# Altium PCB OneBox.PcbDoc (part 6 of 13) (continued)
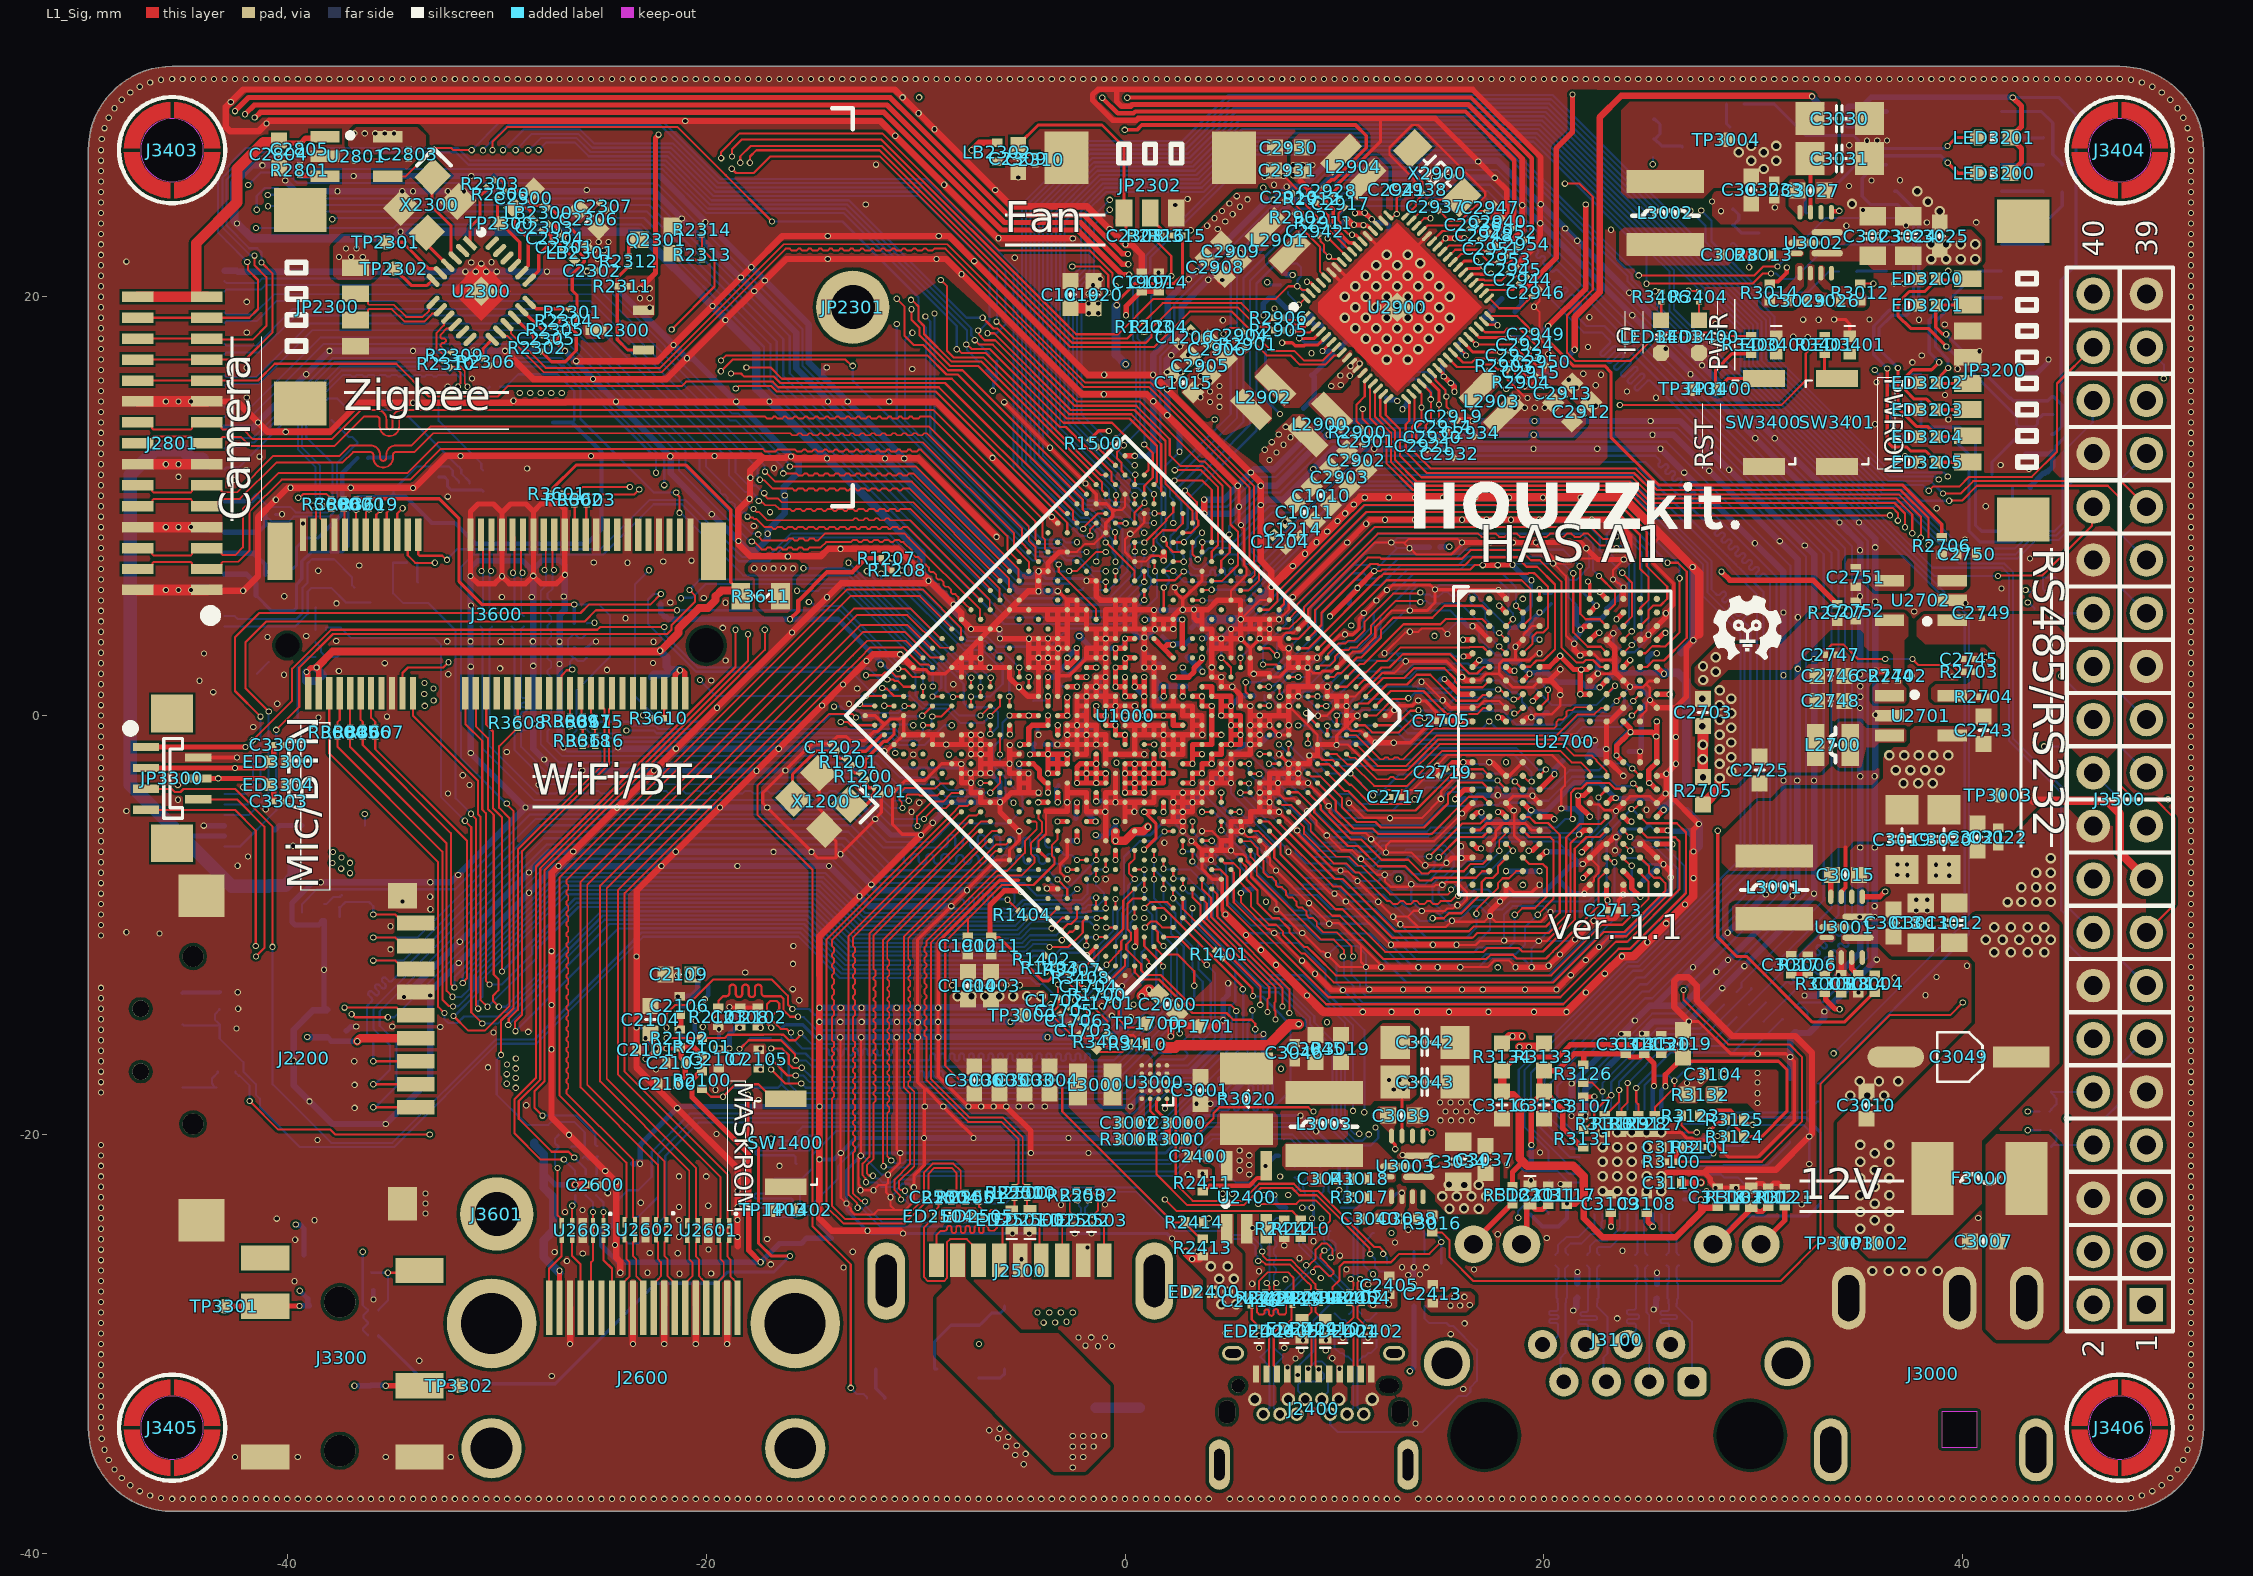
[diagram p0: L1_Sig view]
## Nets (pads, with @x,y where several pads share a name; then routed paths per layer and width w, separated by ;. In a path a pad name is that pad's centre, name@x,y a point inside that pad or via, vN(x,y) a via of type N, cw(c..) or ccw(c..) an arc to the next point about the centre after c; other vN are vias at no path point) (continued)
  L1_Sig w0.305: J2801.1@-43.85,6 -43.811,5.961 v1(-42.111,5.961) -42.089,5.961 -41.4,6.65 -41.4,9.46 -40.551,10.309 v1(-40.546,10.309) -39.975,10.881 v1(-39.852,10.881) v1(-36.97,10.88) -33.92,10.88 -32.4,12.4 v1(-31.731,12.4) v1(-25.5,12.4) -21.724,12.4 v1(-21.712,12.388) -21.7,12.4 v1(-19.6,12.4) -17.4,12.4 -17.3,12.3 ; J2801.10@-43.85,15 -42.4,15 v1(-41.4,14) -40.947,13.547 v1(-40.075,13.547) -37.953,13.547 -36.565,14.935 v1(-35.098,14.935) -34.004,14.935 v1(-34.001,14.937) -33.999,14.935 -29.308,14.935 v1(-29.208,15.034) -29.145,15.034 -29.079,14.968 -26.721,14.968 -26.697,14.993 v1(-18.569,14.993) ; v1(-31.5,21.2) -31.1,20.8 -30.4,20.8 v1(-30,21.2) ; v1(-29.609,17.415) -28.263,16.069 v1(-25.402,16.069) ; v1(-27.384,-13.817) -27.384,-19.183 v1(-26.549,-20.018) v1(-24.3,-22.267) -24.3,-25.878 -24.1,-26.078 v1(-24.1,-26.6) ; v1@-27.383,-13.819 v1(-27.383,-11.246) ; v1@-27.382,-11.247 -27.382,-7.508 v1(-27.056,-7.183) ; v1@-27.056,-7.196 -26.352,-6.492 v1(-26.35,-6.492) -24.256,-4.398 v1(-24.256,-4.395) -22.504,-2.643 -22.504,-2.617 v1(-22.496,-2.617) -22.487,-2.617 v1(-21.447,-1.577) -21.44,-1.577 v1(-19.488,0.376) v1@-15.906,3.957 ; v1(-26.5,-30) J2600.17@-26.5,-28.265 ; v1(-26.204,16.925) -22.335,16.925 v1(-21.562,17.698) v1(-19.702,19.558) ; v1@-25.42,16.068 -21.909,16.068 -20.918,17.059 v1(-20.918,17.061) -20.916,17.061 v1(-19.083,18.893) ; v1(-23.5,-30) J2600.11@-23.5,-28.265 ; v1@-22.143,-7.188 v1(-21.456,-6.501) -19.345,-4.39 v1(-19.345,-4.384) v1(-14.476,0.485) -14.471,0.485 v1(-13.472,1.484) v1(-12.348,2.609) -12.021,2.936 -10.75,2.936 v1(-10.737,2.924) U1000.AH23@-10.112,2.298 ; v1(-22.139,-7.183) -23.323,-8.367 v1(-23.323,-11.5) -23.323,-14.882 v1(-23.326,-14.885) -23.326,-15.907 v1(-23.33,-15.91) -23.33,-16.798 v1(-21.385,-18.743) -18.5,-21.629 v1(-18.5,-22) v1(-18.5,-22.7) v1(-18.501,-23.459) ; v1(-22,-30) J2600.8@-22,-28.265 ; v1(-20.5,-30) J2600.5@-20.5,-28.265 ; U2601.8@-19.948,-24.832 -19.948,-24.151 -19.929,-24.132 -19.852,-24.209 U2601.8@-19.852,-24.832 ; v1@-19.679,19.577 -18.346,20.911 v1(-18.346,20.914) v1(-17.848,21.412) -16.36,22.9 v1(-8.9,22.9) -8.4,22.9 v1(-7.2,21.7) -1.778,16.278 v1(-1,16.278) 0.169,16.278 ; v1@-19.083,18.894 v1(-17.704,20.274) -17.208,20.77 v1(-17.208,20.774) -16.182,21.8 v1(-14.2,21.8) v1(-9,21.8) -8.536,21.8 v1(-7.811,21.074) ; v1(-19,-30) J2600.2@-19,-28.265 ; v1@-18.568,14.993 v1(-16.978,14.993) v1(-14.182,14.993) v1(-13.243,14.993) v1(-11.262,14.994) -9.017,14.994 v1(-6.33,12.307) -3.65,9.626 v1(-3.505,9.481) ; v1(-18.501,-23.459) -18.504,-23.462 v1(-18.504,-24.082) -18.504,-24.896 v1(-18.5,-24.9) -18.5,-25.338 ; v1@-17.909,11.357 -17.909,11.691 -17.3,12.3 ; v1(-17.891,11.359) -17.909,11.341 -17.909,10.371 v1(-17.929,10.351) -18.465,9.815 -18.465,8.343 v1(-18.456,8.334) -18.456,8.187 -17.869,7.6 v1(-16.1,7.6) -14.539,7.6 -14.177,7.962 -10.86,7.962 -9.299,6.401 v1(-8.194,5.296) -7.814,4.915 U1000.AH18@-7.814,4.596 v1(-7.354,4.137) U1000.AF17@-6.435,4.137 U1000.AF15@-5.515,5.056 -4.63,5.942 v1(-4.136,5.942) -4.137,5.943 U1000.AF12@-4.137,6.435 -4.137,6.882 v1(-4.127,6.891) -4.124,6.894 U1000.AF11@-3.677,6.894 ; v1@-15.958,12.363 -15.84,12.363 -15.756,12.28 v1(-14.228,12.28) -11.469,12.28 v1(-11.465,12.276) -11.46,12.28 v1(-10.542,12.28) -9.88,12.28 v1(-6.135,8.535) ; v1(-15.947,12.374) -16.126,12.374 -16.2,12.3 -17.3,12.3 ; v1(-15.906,3.973) -13.554,6.325 -9.503,6.325 v1(-9.385,6.444) ; v1@-14.595,-18.718 -14.594,-18.719 v1(-14.594,-21.19) -14.595,-21.191 -14.595,-24.005 -14,-24.6 v1(-12.3,-24.6) -10.725,-24.6 v1(-10.6,-24.725) ; v1(-14.585,-18.668) -14.595,-18.658 -14.595,-15.272 -14.601,-15.266 -14.595,-15.26 v1(-14.595,-14.623) -14.595,-13.87 -14.59,-13.865 -14.59,-12.399 -14.595,-12.394 -14.595,-10.545 v1(-12.678,-8.627) ; v1@-12.677,-8.627 -12.674,-8.627 v1(-12.118,-8.071) -10.932,-6.885 -10.928,-6.885 v1(-9.743,-5.7) ; v1@-7.806,21.079 -7.779,21.079 -2.048,15.348 v1(-1.012,15.348) 1.029,15.348 1.345,15.033 v1(1.345,15.011) ; U1000.AF17@-6.338,4.137 -6.009,4.137 v1(-6.001,4.129) ; v1@-3.5,9.486 -3.5,9.475 U1000.AH8@-3.217,9.192 ; v1(-2.499,22.782) -2.514,22.797 v1(-6.048,22.797) -6.084,22.797 v1(-8.638,25.35) v1(-10.973,27.685) -11.68,28.392 v1(-20.996,28.392) -21.009,28.405 -40.866,28.405 v1(-40.996,28.274) -41.377,27.894 -42.728,27.894 -42.937,28.103 -42.937,29.063 v1(-42.7,29.3) -42.104,29.896 -10.996,29.896 v1(-10.62,29.52) -10.587,29.487 v1(-9.857,28.757) -9.1,28 v1(-6.2,25.1) -5.422,24.322 -1.818,24.322 -0.748,23.252 -0.748,23.249 v1(-0.732,23.233) ; v1@-0.706,23.217 0.005,22.506 v1(0.023,22.506) ; v1@0.052,22.477 0.332,22.477 0.8,22.01 C1907.1@0.8,21.15 ; 0.17,16.279 v1(1.338,16.279) v1@2.012,15.604 ; v1@1.398,14.98 1.398,14.958 v1(2.011,14.345) ; v1@1.838,7.412 1.838,7.415 U1000.AA4@1.838,7.814 ; v1(2.012,15.581) 5.99,11.603 v1(5.997,11.603) 6.482,11.119 v1(6.482,10.974) ; v1@2.025,14.331 v1(5.378,10.979) ; v1(2.182,-15.313) 2.178,-15.309 2.178,-14.88 2.5,-14.559 C2000.1@2.5,-14.3 ; C2000.1@2.5,-14.235 C2000.1@2.5,-14.3 ; v1(3.776,10.312) 3.776,9.639 v1(3.779,9.635) ; v1(4.687,-14.549) 4.412,-14.824 3.607,-14.824 3.583,-14.8 3,-14.8 C2000.1@2.5,-14.3 ; v1(6.482,10.051) v1(6.482,10.974) ; v1@6.488,9.919 6.488,7.387 6.988,6.888 v1(6.988,6.14) ; v1(26.92,-14.606) 26.214,-13.9 26.214,-12.686 26.4,-12.5 26.9,-12.5 27.3,-12.9 27.3,-13.6 29,-15.3 32,-15.3 32.8,-16.1 32.8,-19.963 v1(32.67,-20.093) 31.081,-21.682 27.804,-21.682 27.686,-21.8 ; v1(35.826,2.143) 36.293,2.143 C2744.1@36.3,2.15
  L1_Sig w0.406: v1(4.8,-9.5) v1(5.776,-10.476) v1(6.485,-11.185) v1(7.203,-11.903) v1@8.669,-13.369 ; v1(6.988,6.14) 7.98,7.133 7.996,7.133 v1(8.004,7.141) v1(8.592,7.729) v1(9.142,8.279) 10.146,9.283 v1(10.146,9.296) 10.148,9.296 v1(10.508,9.656) 10.923,10.071 v1(10.923,10.076) ; v1(8.683,-13.369) 9.46,-14.146 v1(11.346,-14.146) v1(12.726,-14.146) v1(13.936,-14.146) v1(15.463,-14.146) v1(17.349,-14.146) v1(19.529,-14.146) v1(21.073,-14.146) v1(22.9,-12.32) v1(23.725,-11.495) 24.264,-11.495 v1(24.941,-10.818) v1(25.839,-9.92) v1(26.737,-9.022) 27.137,-8.621 v1(27.137,-7.761) v1(27.137,-6.49) ; v1(10.923,10.076) 11.264,10.419 v1(12.589,10.419) v1(13.847,10.419) v1@15.175,10.419 ; v1(15.194,10.419) v1(16.72,10.419) v1(18.337,10.419) v1(19.953,10.419) v1(21.749,10.419) v1(23.779,10.419) 23.784,10.419 25.601,8.601 27.1,7.103 v1@27.101,7.101 ; v1(27.1,7.1) v1@27.101,7.101 ; 27.408,3.877 27.408,6.795 27.103,7.1 v1@27.101,7.101 ; v2(27.564,0.799) C2703.1@27.6,0.799
  L1_Sig w0.508: J2801.1@-47.15,6 J2801.1@-43.85,6 ; J2801.4@-47.15,9 -44.639,9 -44.637,8.998 -43.852,8.998 J2801.4@-43.85,9 ; J2801.7@-47.15,12 J2801.7@-43.85,12 ; J2801.10@-47.15,15 J2801.10@-43.85,15 ; v1(4.638,20.803) 4.76,20.925 C2908.1@4.76,20.94 4.76,20.945 5.517,21.703 C2909.1@5.517,21.707
  L4_Sig w0.102: -39.728,-27.619 -39.49,-27.858 -38.942,-27.858 -38.7,-28.1 ; v1(-39.628,-25.025) -39.643,-25.039 -39.643,-26.99 v1(-39.657,-27.004) -39.695,-27.042 -39.695,-27.281 -39.744,-27.331 -39.744,-28.356 -38.7,-29.4
  L4_Sig w0.152: v1@3.377,21.218 3.195,21.4 1.89,21.4 1.64,21.15 v1(1.6,21.15) 1.149,20.699 -0.099,20.699 -0.5,21.1 -0.5,21.983 v1(0.023,22.506) 0.492,22.974 0.674,22.974 v1(0.7,23) 1.6,23 1.774,23.174 v1(3.138,23.174) 3.526,23.174 3.846,22.854 4.654,22.854 5.4,23.6 6.081,23.6 v1(7.105,24.625) v1@7.733,25.253 ; v1(3.417,21.218) 3.457,21.218 3.539,21.136 v1(4.305,21.136) v1(4.638,20.803) ; v1(4.638,20.803) 4.661,20.781 6.148,20.781 6.935,21.568 9.951,24.584 13.634,24.584 13.985,24.233 15.451,24.233 16.684,23 16.684,22.184 16.419,21.919 16.419,21.562 17.237,20.745 17.619,20.745 18.005,21.13 18.005,23.556 15.846,25.715 14.774,25.715 v1(14.754,25.695) 14.739,25.71 14.375,25.71 14.181,25.905 8.661,25.905 ; v1(7.715,25.253) v1@7.733,25.253 ; v1@7.762,25.281 v1@7.733,25.253 ; v1@7.733,25.253 7.971,25.253 8.37,25.652 8.37,25.67 8.604,25.904 8.66,25.904 ; 8.66,25.904 8.661,25.905
  L4_Sig w0.203: -44.2,23.301 -44.2,23.541 -41.799,25.943 -41.522,25.943 -41.435,26.03 v1(-41.192,26.273) ; v1(-40.546,10.309) -40.256,10.019 -39.323,10.019 -39.1,10.242 -39.1,10.6 -39.381,10.881 v1(-39.852,10.881)
  L4_Sig w0.254: -46.1,-0.8 -43.408,-3.492 -43.197,-3.492 -42.755,-3.05 ; v1(-37.656,5.358) -39.339,5.358 v1(-40.949,3.749) -40.957,3.74 -40.957,3.699 v1(-43.535,1.122) -43.548,1.122 -44.4,0.269 -44.4,0 v1(-42.4,-2) -42,-2.4 -42,-2.7 -42.35,-3.05 -42.755,-3.05 ; v1@-37.635,5.358 -36.438,5.358 -32.342,9.454 v1(-32.342,10.455) -32.339,10.458 -32.339,15.704 v1(-32.336,15.707) ; v1@-32.335,15.709 v1(-32.335,25.04) -32.335,27.531 -31.766,28.1 -27.401,28.1 -25.263,25.962 -21.378,25.962 -19.661,27.679 -10.979,27.679 v1(-10.973,27.685) -10.369,27.685 -10.06,27.995 v1(-9.1,27.995) ; -22.551,27.308 -22.526,27.283 ; v1@-9.095,27.995 -9.086,28.004 -8.729,28.004 -8.333,28.4 -0.3,28.4 1,29.7 v1(1,30.4) ; v1@-3.241,-1.37 v1(-3.232,-1.379) ; v1(-0.5,30.4) -0.5,29.51 -0.919,29.091 -8.609,29.091 -8.943,28.757 v1(-9.857,28.757) -19.516,28.757 -21.651,26.622 -24.989,26.622 -27.197,28.83 -31.97,28.83 -33.206,27.594 v1(-33.206,17.415) -33.206,9.524 -36.622,6.108 -39.744,6.108 -42.022,3.83 v1(-44.19,1.662) -45.208,0.645 -45.208,-0.492 -42.755,-2.945 -42.755,-3.05
  L4_Sig w0.305: v1(-47.687,-10.342) -47.689,-10.344 -47.689,-11.811 -40.507,-18.993 v1(-40.507,-24.019) -40.506,-28.904 -36.979,-32.432 -36.621,-32.432 -36.368,-32.179 -36.368,-31.732 -38.7,-29.4 -38.7,-28.1 v1(-38.7,-24.094) -38.7,-18.676 v1@-38.942,-18.433 ; v1@-47.686,-10.341 v1(-47.686,-4.559) v1(-47.686,21.677) -47.686,22.097 -43,26.783 -43,29 v1(-42.7,29.3) -41.682,29.3 -40.996,28.614 v1(-40.996,28.274) -41,28.271 -41,26.501 ; -44.2,23.301 -44.2,13.963 v1(-40.546,10.309) ; v1@-43.986,2.964 -46.1,0.849 -46.1,-0.8 v1(-46.1,-10.4) -46.1,-11.281 -42.442,-14.939 v1(-42.423,-14.939) ; v1@-43.973,2.961 -40.013,6.921 v1(-38.521,6.921) -36.816,6.921 v1(-36.565,7.172) -34,9.736 -34,14.935 v1(-34.001,14.937) -34,14.938 v1(-34,17.415) v1(-34,21.2) -34,23.8 ; v1@-42.43,-14.946 -38.957,-18.419 v1(-38.944,-18.419) ; v1(-41.938,16.606) v1(-41.938,18.296) v1(-41.939,19.755) -41.939,20.739 -42.342,21.142 -42.342,21.591 -42.4,21.649 v1(-42.4,23.5) -42.4,23.827 -41.368,24.86 -41.368,25.368 -41.435,25.435 -41.435,26.03 ; v1(-41.938,16.606) -41.938,12.974 v1(-41.331,12.366) -41.331,12.359 v1(-39.852,10.881) ; v1(-41.192,26.273) -41.192,26.309 -41,26.501 ; v1(-10.62,29.52) -19.869,29.52 v1(-20.996,28.392) -22.081,27.308 -22.551,27.308 -24.705,27.308 -26.953,29.556 -32.244,29.556 -34,27.8 -34,25.038 v1(-33.999,25.037) -34,25.035 -34,23.8 ; -41,26.501 -36.701,26.501 -34,23.8
  L6_Sig w0.102: v1(-26.818,-1.528) -26.624,-1.722 -24.467,-1.722 -24.269,-1.525 v1(-24.215,-1.525) ; v1@-12.523,-21.017 -11.619,-21.921 v1(-11.323,-21.921) ; v1(-11.2,-23) -10.903,-22.703 -10.903,-22.614 -10.645,-22.355 -10.308,-22.355 -10.138,-22.525 v1(-10.085,-22.525) ; v1(-8.297,-9.097) -8.265,-9.097 -8.139,-9.223 -5.58,-9.223 -5.285,-8.928 -5.285,-8.515 -5.596,-8.204 -7.388,-8.204 -7.52,-8.336 v1(-7.547,-8.336) ; C1806.1@-2.823,1.877 C1806.1@-2.805,1.859 ; v1(-0.144,-12.914) -0.144,-12.861 0.386,-12.331 0.386,-12.325 0.46,-12.251 v1(0.46,-11.031) ; 0.998,12.402 1,12.4 1.472,11.928 1.472,11.013 1.733,10.752 1.733,9.08 1.5,8.846 1.5,8.3 1.842,7.958 v1(1.842,7.409) ; 2.298,-5.056 v1(2.758,-5.515) 2.758,-5.544 3.171,-5.957 v1(3.171,-5.985) 3.183,-5.985 4.089,-6.891 v1(4.101,-6.891) ; v1(2.298,9.192) 2.298,10.313 2.142,10.469 2.142,10.921 1.904,11.159 1.904,11.904 v1(2.6,12.6) ; v1(3.677,-5.515) 4.137,-5.515 4.263,-5.642 4.274,-5.642 4.469,-5.837 4.469,-5.848 v1(5.061,-6.44) 5.515,-6.894 5.515,-7.215 6.1,-7.8 6.241,-7.8 7.235,-8.793 v1(7.235,-9.255) 7.498,-9.518 8.807,-9.518 9.23,-9.941 v1(9.747,-9.941) 11.696,-9.941 v1(12.7,-10.946) 13.728,-11.974 13.966,-11.974 v1(14.005,-12.012) v1(14.924,-12.012) v1(16.002,-12.012) 16.888,-12.012 17.304,-11.596 18.998,-11.596 v1(19.414,-12.012) ; v1(3.677,-3.677) 3.918,-3.918 3.929,-3.918 5.526,-5.515 v1(5.568,-5.515) 5.594,-5.515 6.625,-6.547 6.656,-6.547 6.682,-6.573 v1@6.682,-6.604 ; v1@4.112,-6.88 4.112,-6.924 4.611,-7.423 4.611,-9.311 5.71,-10.41 5.756,-10.41 5.784,-10.437 5.87,-10.437 5.917,-10.39 7.114,-10.39 v1@7.123,-10.381 ; v1(4.596,-2.758) 4.598,-2.758 5.056,-3.215 v1(5.058,-3.215) ; v1@5.058,-3.16 v1(5.058,-3.215) ; C1100.1@5.562,-1.374 5.628,-1.439 5.636,-1.448 5.636,-1.534 ; v1(5.975,-1.379) 5.975,-1.89 v1@7.3,-3.215 ; v1(6.141,1.994) 6.841,1.994 7.801,2.954 7.801,3.205 v1(7.813,3.217) 8.733,4.137 v1(8.733,4.596) 8.733,5.012 10.907,7.186 ; v1(6.435,-3.677) v1(7.354,-4.596) 7.354,-4.607 8.218,-5.471 v1(8.218,-5.482) 9.197,-6.46 10.66,-6.46 11.036,-6.836 11.257,-6.836 v1(11.261,-6.839) 11.921,-6.839 12.219,-6.541 v1(12.458,-6.541) 13.278,-6.541 13.42,-6.4 14.38,-6.4 14.384,-6.396 14.66,-6.396 14.663,-6.4 15.089,-6.4 15.351,-6.662 v1(15.351,-7.032) 14.327,-8.056 v1(13.664,-8.056) ; v1(6.75,-6.586) 6.7,-6.586 v1@6.682,-6.604 ; v1(7.125,-10.379) v1@7.123,-10.381 ; v1@7.3,-3.198 v1@7.3,-3.215 ; v1(7.346,-0.927) v1(7.814,-0.46) v1(7.814,0.46) ; v1@7.352,-1.839 v1(7.357,-1.845) 7.358,-1.845 8.731,-3.217 v1(8.733,-3.217) 8.733,-3.27 9.773,-4.31 9.795,-4.31 9.793,-4.312 v1(9.722,-4.312) ; v1(8.462,-10.383) 8.46,-10.381 v1@7.123,-10.381 ; v1@8.491,-10.399 9.489,-11.397 9.65,-11.397 v1(9.684,-11.43) ; v1(8.8,-1.9) 9.658,-2.758 v1(10.763,-2.758) 10.792,-2.758 v1(11.835,-3.801) 11.873,-3.762 12.138,-3.762 13.083,-2.817 13.706,-2.817 14.124,-2.4 v1(14.9,-2.4) 15.852,-2.4 16.01,-2.558 ; v1@9.22,0 v1(9.212,-0.008) ; v1@9.761,-4.344 10.313,-4.895 v1(12.648,-4.895) 14.159,-4.895 v1(15.079,-3.975) 15.404,-3.651 16.427,-3.651 16.718,-3.943 C2721.1@16.718,-3.968 ; v1(10.58,2.757) 9.35,1.528 9.35,1.379 ; v1@10.63,2.757 10.641,2.768 10.641,2.828 10.808,2.995 11.36,2.995 13.379,5.014 13.593,5.014 v1(13.6,5.021) ; v1(11.084,-0.008) 10.691,-0.4 10.041,-0.4 9.799,-0.157 9.797,-0.157 9.64,-0.001 ; v1@11.099,-0.008 11.099,0.059 11.31,0.269 v1(12.859,0.269) ; v1(11.346,-14.146) 11.308,-14.107 11.308,-14.008 v1(10.4,-13.1) 10.4,-13.078 10.1,-12.778 10.1,-11.847 v1(9.684,-11.43) ; v1(11.659,-13.079) 11.659,-13.024 11.5,-12.865 v1(11.5,-12) 11.5,-11.4 11.1,-11 10.1,-11 9.684,-11.416 v1(9.684,-11.43) ; v1(12.088,-8.888) 12.078,-8.878 v1(10.544,-8.878) 10.505,-8.839 10.339,-8.839 v1(10,-8.5) 9.765,-8.265 8.075,-8.265 v1(7.204,-7.394) 6.75,-6.94 6.75,-6.672 v1@6.682,-6.604 ; v1@12.09,-8.89 v1(12.8,-9.6) 12.8,-9.608 v1@13.119,-9.927 ; v1(12.385,2.975) 12.387,2.973 12.927,2.973 ; v1(12.825,-1.293) 12.864,-1.332 12.961,-1.332 12.987,-1.358 21.321,-1.358 21.508,-1.171 v1@21.771,-1.171 ; v1(12.859,0.269) 12.914,0.269 13.825,-0.641 17.027,-0.641 v1(17.392,-0.276) 17.757,-0.641 20.959,-0.641 21.577,-0.023 23.25,-0.023 23.837,0.563 23.837,1.099 v1(24.114,1.376) ; v1@13.119,-9.919 v1@13.119,-9.927 ; v1(13.405,2.594) 13.375,2.623 v1@13.277,2.623 ; v1(13.577,7.992) 13.569,8 13,8 ; C2710.1@14.107,1.657 C2710.1@14.15,1.7 ; v1(14.15,1.613) 14.113,1.613 14.001,1.501 14.001,1.464 13.923,1.386 ; v1(14.163,-9.328) 13.664,-8.828 v1(13.664,-8.056) ; v1@14.163,-9.32 14.82,-9.32 15.298,-9.798 v1(15.616,-9.798) 15.908,-9.798 16.605,-9.1 16.948,-9.1 v1(17.421,-9.573) 17.421,-10.239 16.895,-10.765 ; v1(15.4,3.9) 15.439,3.939 15.439,4.054 C2732.1@15.946,4.561 ; v1@15.928,-9.058 v1@15.887,-9.058 ; C2732.1@15.946,4.483 C2732.1@15.946,4.561 ; 16.011,-2.559 16.287,-2.559 16.538,-2.308 17.31,-2.308 v1(17.392,-2.226) ; C2732.1@16.063,4.578 C2732.1@16.013,4.578 15.963,4.578 C2732.1@15.946,4.561 ; v1(16.095,1.848) 16.056,1.81 15.947,1.81 15.435,1.298 14.012,1.298 13.923,1.386 ; v1@16.121,1.848 16.295,1.674 17.857,1.674 18.409,1.122 18.441,1.122 18.451,1.113 18.681,1.113 18.952,0.842 18.952,0.651 19.397,0.205 v1(19.397,-0.079) ; v1(16.156,2.824) 15.711,2.824 15.562,2.973 12.927,2.973 ; v1@16.521,4.252 16.521,4.278 v1@16.521,4.28 ; v1(16.592,4.268) 16.903,3.957 16.903,3.691 17.711,2.883 17.983,2.883 18.3,3.2 18.3,4.2 16.263,6.237 15.016,6.237 v1(14.8,6.021) 14.745,6.021 14.525,6.241 13.993,6.241 13.767,6.015 13.6,5.847 v1(13.6,5.021) ; v1@17.746,-3.8 v1(17.801,-3.8) ; v1(17.905,-8.872) 17.333,-8.3 16.688,-8.3 16.086,-8.902 16.078,-8.902 15.962,-9.019 15.929,-9.019 15.928,-9.017 v1@15.887,-9.058 ; v1(18.644,3.284) C2742.1@18.665,3.305 ; v1(20.31,-9.388) 20.255,-9.388 19.963,-9.097 18.503,-9.097 18.1,-9.5 v1(18.1,-10.74) 18.076,-10.765 16.895,-10.765 ; v1@20.343,-9.422 20.31,-9.455 20.31,-10.208 v1(19.754,-10.765) ; v1@20.357,-9.408 20.357,-9.396 20.404,-9.35 20.416,-9.35 20.425,-9.341 21.93,-9.341 v1(22.38,-9.791) 22.38,-8.92 23,-8.3 23,-6.254 v1(23.451,-5.803) 23.451,-6.277 23.427,-6.3 23.427,-6.35 23.451,-6.374 v1(23.389,-6.435) 23.754,-6.8 24.58,-6.8 24.874,-7.094 25.543,-7.094 ; 20.548,-6.448 20.548,-6.498 20.55,-6.5 ; 21.131,-6.5 20.65,-6.019 17.781,-6.019 17.45,-6.35 17.45,-6.656 17.161,-6.945 16.285,-6.945 v1(15.148,-8.082) 14.978,-8.252 14.978,-8.495 15.54,-9.058 v1(15.868,-9.058) v1@15.887,-9.058 ; v1@21.406,-10.765 v1(19.754,-10.765) ; C2729.1@21.546,5.124 21.546,5.292 21.438,5.4 21.427,5.4 21.182,5.646 21.182,6.47 ; v1(21.681,-5.681) 21.626,-5.681 21.552,-5.607 14.633,-5.607 14.456,-5.784 12.065,-5.784 11.962,-5.886 11.796,-5.886 11.785,-5.898 v1(11.749,-5.898) 11.463,-5.898 11.376,-5.811 9.781,-5.811 9.689,-5.719 v1(9.634,-5.719) 8.831,-4.916 8.831,-4.753 8.69,-4.612 8.69,-4.557 8.64,-4.557 v1(7.3,-3.217) v1@7.3,-3.215 ; v1(21.859,-7.082) 22.3,-6.641 22.3,-5.9 23.398,-4.802 23.398,-4.593 v1(23.437,-4.554) ; v1(21.86,-1.171) 21.862,-1.173 22.429,-1.173 v1(22.431,-1.174) 22.431,-1.318 22.431,-1.63 C2701.1@22.479,-1.63 ; v1(22.018,7.992) 22.018,7.962 22.146,7.834 22.146,7.078 21.564,6.495 21.561,6.495 21.535,6.47 21.182,6.47 ; C2701.1@22.212,-1.848 C2701.1@22.261,-1.848 ; v1(22.38,-9.791) v1(21.482,-10.689) v1(20.763,-11.407) v1(20.224,-11.946) 20.17,-11.946 20.103,-12.012 v1(19.414,-12.012) ; v1(23.795,6.115) 24.069,6.389 ; C2700.1@25.044,-5.257 25.08,-5.257 25.313,-5.49 v1(25.916,-5.49) ; C3100.1@28.525,-23.025 28.8,-23.3 30.95,-23.3 ; X3100.2@29.65,-20.35 29.45,-20.55 C3101.2@28.6,-20.55 28.6,-20.246 28.63,-20.217 28.63,-19.87 28.958,-19.542 v1(29.968,-19.542) ; v1@29.996,-19.514 30.03,-19.548 32.413,-19.548 32.656,-19.791 32.656,-20.079 v1(32.67,-20.093) ; X3100.4@31.35,-22.5 X3100.4@31.35,-22.45 ; X3100.4@31.75,-22.45 31.75,-22.5 30.95,-23.3 ; v1(32.67,-21.414) 32.67,-22.976 32.346,-23.3 30.95,-23.3 ; v1@32.688,-20.111 32.67,-20.129 32.67,-21.382 v1@32.702,-21.414 ; v1(5.058,-3.215) 5.058,-3.708 6.02,-4.67 6.035,-4.67 7.629,-6.264 7.629,-6.329 v1(7.8,-6.5) 8.7,-7.4 v1(10.283,-7.4) 10.783,-7.9 v1(11.1,-7.9) 12.101,-7.9 v1(12.4,-7.6) ; v1(7.814,0.46) v1(8.273,0.919) ; v1(7.814,0.46) 7.34,0.46 7.3,0.5 7.201,0.599 7.201,0.615 7,0.816 7,1.036 8.264,2.3 8.729,2.3 8.729,2.316 9.164,2.751 v1(9.164,2.762) 10.243,3.841 10.467,3.841 v1(10.506,3.88) 10.963,3.88 11.4,4.316 v1(11.4,4.9) v1(12,5.5) v1(12.5,6) 13.468,6.968 16.008,6.968 16.224,7.184 v1(17.079,7.184) 17.087,7.192 18.492,7.192 v1(18.5,7.2) 18.554,7.2 18.624,7.27 v1(20.44,7.27) 21.182,6.528 21.182,6.47 ; v1(8.273,0.919) 8.492,1.138 8.838,1.138 9.079,1.379 9.35,1.379 ; v1(8.273,0.919) 8.581,0.919 9.203,0.297 9.203,0.001 v1(9.212,-0.008) ; v1(9.212,-0.008) 9.633,-0.008 9.64,-0.001 ; 9.35,1.379 v1(9.652,1.379) 10.896,2.623 v1@13.277,2.623 ; 9.64,-0.001 10.101,0.46 v1(10.571,0.46) 11.498,1.386 13.923,1.386 ; 10.907,7.186 11.614,7.186 v1(11.9,6.9) 12.7,7.7 ; 10.907,7.186 11.983,8.262 v1(12.712,8.262) ; v1(12.4,-7.6) 12.4,-7.652 13.031,-8.283 C2712.1@13.056,-8.283 13.437,-8.283 v1(13.664,-8.056) ; v1(12.4,-7.6) 12.705,-7.6 12.85,-7.456 13.22,-7.456 13.447,-7.683 13.447,-7.839 v1(13.664,-8.056) ; 12.7,7.7 15.711,7.7 16.068,8.057 16.068,8.238 v1(16.092,8.262) 15.877,8.477 12.982,8.477 12.767,8.262 v1(12.712,8.262) ; 12.7,7.7 13,8 ; v1(12.712,8.262) 12.974,8 13,8 ; 12.927,2.973 v1@13.277,2.623 ; v1@13.119,-9.927 13.145,-9.953 v1(13.145,-9.961) ; v1@13.119,-9.927 13.119,-9.935 v1(13.145,-9.961) ; v1(13.145,-9.961) 14.13,-10.946 v1(14.698,-10.946) v1(15.822,-10.946) 16.714,-10.946 16.895,-10.765 ; v1(13.6,5.021) 15.52,5.021 15.814,4.727 15.946,4.594 C2732.1@15.946,4.561 ; v1(19.414,-12.012) 19.414,-11.104 v1(19.754,-10.765) ; C2701.1@22.261,-1.848 22.327,-1.782 C2701.1@22.479,-1.63 ; C2701.1@22.261,-1.848 22.458,-1.848 22.479,-1.827 22.479,-1.782 C2701.1@22.479,-1.63 ; 24.069,6.389 24.069,7.196 v1(23.813,7.452) 23.803,7.442 23.458,7.442 23,7.9 23,8.689 23.5,9.189 v1(23.5,9.2) 23.554,9.2 23.593,9.161 23.641,9.161 24.997,7.805 v1(24.997,3.862) 24.968,3.833 24.968,3.667 24.642,3.342 24.326,3.025 23.775,3.025 23.313,3.487 v1(23.313,3.931) 23.529,4.147 23.747,4.147 24.069,4.469 24.069,6.389
  L6_Sig w0.152: R2811.1@-40.55,9.6 -40.542,9.608 -40.262,9.608 v1(-40.254,9.615) ; R3614.1@-26.3,3.25 -26.275,3.25 -26.125,3.1 -25.875,3.1 -25.725,3.25 C3607.2@-25.7,3.25 -25.675,3.25 -25.414,3.511 -25.288,3.511 v1(-25.26,3.54) ; U2100.P6@-22.897,-14.9 U2100.N5@-22.4,-15.397 ; U2100.A6@-16.4,-14.9 -16.374,-14.9 -16.237,-14.764 -15.386,-14.764 -14.813,-15.337 -14.621,-15.337 v1(-14.601,-15.356) ; v1@-12.617,-21.017 -13.3,-21.7 v1(-13.3,-23.3) -13.271,-23.329 -13.271,-23.643 -12.314,-24.6 v1(-12.3,-24.6) -12.262,-24.6 -12.137,-24.725 v1(-10.6,-24.725) ; v1(-12.616,-21.017) -12.587,-21.017 -12.453,-20.883 v1(-10.737,-20.883) v1(-10.737,-20.883) -4.499,-20.885 v1(-4.498,-20.886) ; v1(-11.496,-1.705) -11.468,-1.733 -11.468,-1.872 -10.839,-2.5 -7.666,-2.5 -7.415,-2.751 v1(-7.381,-2.751) ; v1@-10.575,-24.725 v1(-5.377,-24.725) ; v1@-5.352,-24.725 v1(-4.577,-24.725) ; v1@-4.552,-24.725 v1(-2.4,-24.725) v1(-1.6,-24.725) 1.994,-24.725 2.233,-24.964 v1(2.245,-24.964) ; v1@-4.49,-20.886 v1(-1.742,-20.886) ; v1(-4.127,6.891) -3.786,6.55 -1.991,6.55 -1.878,6.438 v1(-1.838,6.438) ; C1806.1@-2.823,1.877 -1.891,2.809 C1709.1@-1.381,2.809 -1.025,2.809 -0.974,2.758 v1(-0.934,2.758) ; v1@-1.719,-20.91 -1.695,-20.886 1.936,-20.886 v1(3.402,-19.42) ; v1(-1.105,-13.864) -1.065,-13.864 -0.991,-13.79 -0.968,-13.79 -0.172,-12.995 -0.172,-12.942 v1(-0.144,-12.914) ; 0.29,-5.486 0.504,-5.7 1.211,-5.7 1.3,-5.611 1.3,-5.606 1.851,-5.056 2.298,-5.056 ; v1@3.429,-19.447 3.429,-19.396 3.725,-19.1 v1(8.377,-19.1) ; v1(8.377,-19.1) v1(9.125,-19.848) ; v1(8.463,-23.5) 8.836,-23.5 U2401.19@8.877,-23.541 ; v1(8.915,-23.503) U2401.19@8.877,-23.541 ; v1(8.93,-24.011) 9,-23.941 U2401.19@9,-23.7 9,-23.617 8.992,-23.609 8.992,-23.503 9,-23.495 U2401.3@9,-22.795 ; U2401.19@8.945,-23.609 U2401.19@8.877,-23.541 ; U2401.19@8.959,-23.991 9,-24.032 U2401.12@9,-24.605 ; v1(9.125,-19.848) 9.149,-19.848 10.228,-20.927 10.228,-22.262 10.221,-22.269 10.221,-22.579 10.226,-22.584 v1(10.226,-22.647) ; 10.6,-29.775 10.612,-29.787 ; 11.388,-29.787 11.4,-29.775 ; R2415.2@12.725,-23.1 12.725,-23.05 12.978,-22.797 v1(13.216,-22.797) ; v1(13.526,-26.706) 13.53,-26.702 13.53,-26.674 13.789,-26.414 v1(13.789,-26.338) ; v1(13.8,-27.15) 13.808,-27.142 13.808,-26.357 v1(13.789,-26.338) ; U2402.9@13.8,-25.6 13.8,-26.328 v1(13.789,-26.338) ; v1(14.003,0.718) 14.012,0.727 15.155,0.727 v1(15.164,0.736) ; C2741.1@17.182,5.953 17.217,5.988 17.826,5.988 v1(17.833,5.995) ; C2736.1@23.827,-5.4 23.845,-5.418 24.018,-5.418 24.019,-5.419 24.813,-5.419 24.975,-5.257 C2700.1@25.044,-5.257